# Altium PCB Top Board_PCB.PcbDoc (part 2 of 2)
Units mm, origin at the board's own origin, x right, y up, seen from the top; angles counter-clockwise.
Board outline 139 x 80 mm, 2 copper layers (Top Layer, Bottom Layer), stack 1.57 mm thick; 117 components, 64 nets, 448 pads, 192 vias.
Unrouted connection lines stored in the file: 304.
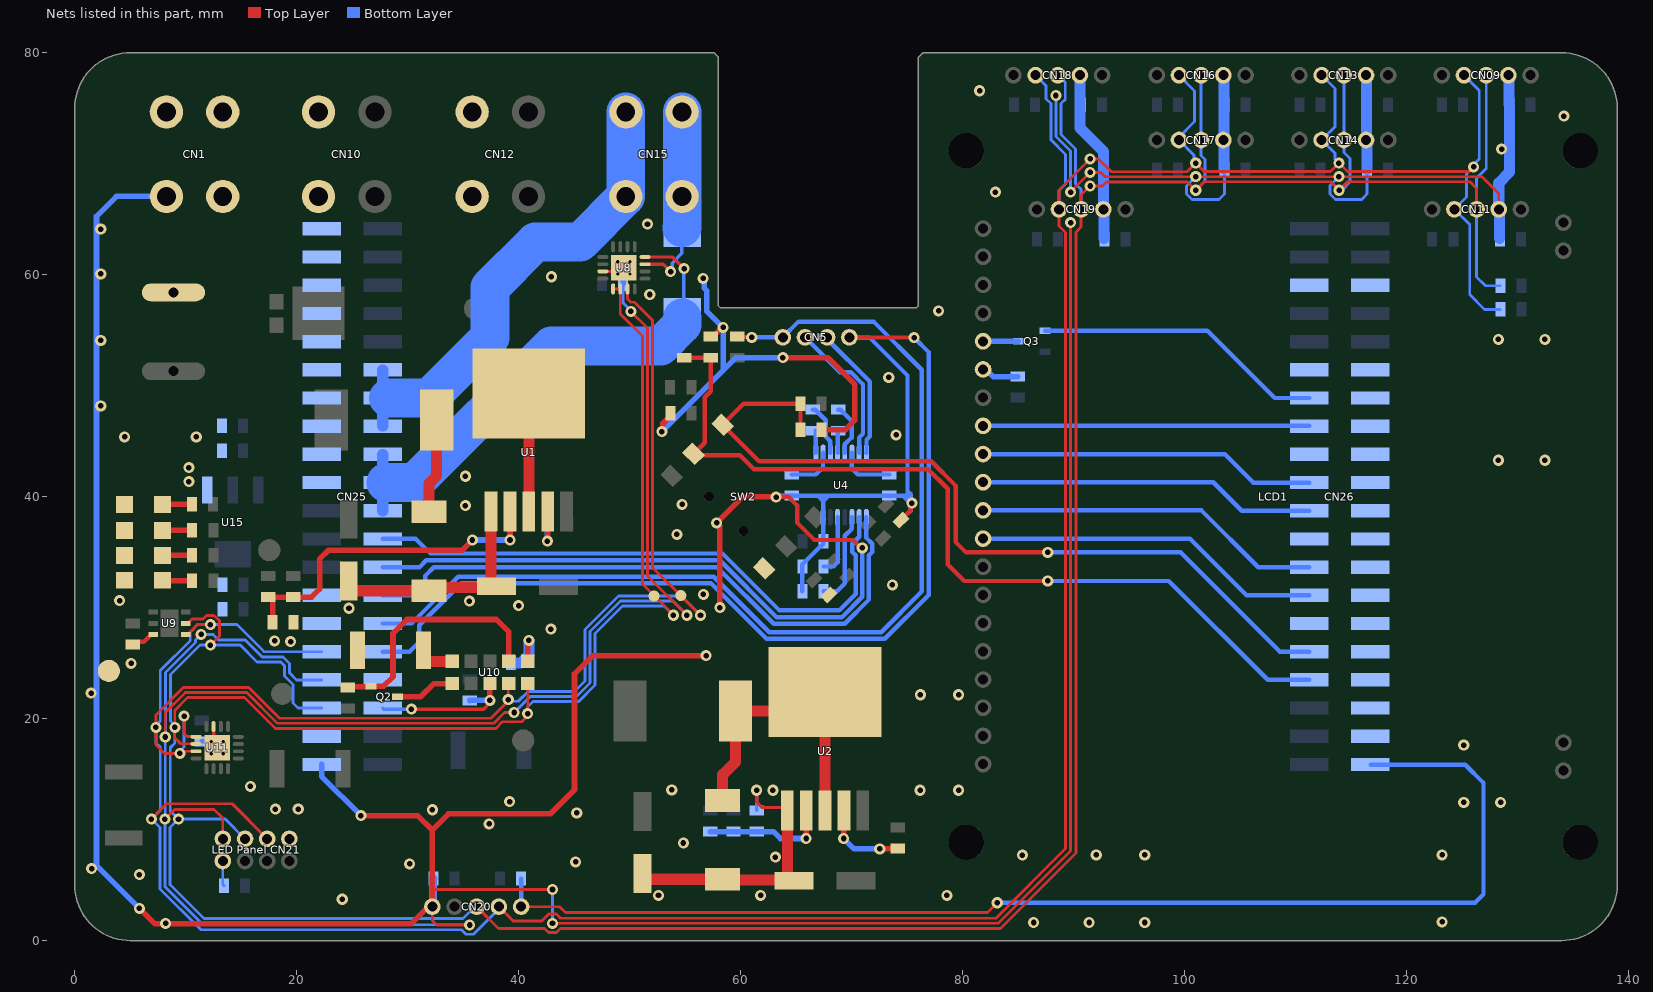
[diagram p2: the nets of this part, all layers, seen from the top]

## Via types
v1: diameter 1, hole 0.5, Top Layer to Bottom Layer, tented both sides, 178 vias
v2: diameter 0.5, hole 0.3, Top Layer to Bottom Layer, 8 vias
v3: diameter 1.4, hole 0.8, Top Layer to Bottom Layer, tented both sides, 4 vias
v4: diameter 1.4, hole 0.7, Top Layer to Bottom Layer, tented both sides, 2 vias

## Nets (pads, with @x,y where several pads share a name; then routed paths per layer and width w, separated by ;. In a path a pad name is that pad's centre, name@x,y a point inside that pad or via, vN(x,y) a via of type N, cw(c..) or ccw(c..) an arc to the next point about the centre after c; other vN are vias at no path point) (continued)
BTN-4_TOP: C40.2 CN26.24 R19.1 SW2.5 | length 79.6
  Top Layer w0.4: R19.1@54.94,52.517 C40.2@57.315,52.517 57.315,49.505 56.769,48.959 56.769,44.864 SW2.5@55.759,43.854 55.865,43.748 59.933,43.748 61.212,42.469 76.896,42.469 78.664,40.701 78.664,33.884 80.147,32.401 v1(87.681,32.401)
  Bottom Layer w0.4: v1(87.681,32.401) 98.589,32.401 107.499,23.49 CN26.24@111.25,23.49
BTN-5_TOP: C41.2 CN26.25 R20.1 SW2.6 | length 74.5
  Top Layer w0.4: C41.2@65.406,46.038 65.4,46.044 65.4,48.381 R20.1@65.395,48.387 60.292,48.387 SW2.6@58.375,46.47 61.665,43.18 77.191,43.18 79.375,40.996 79.375,35.916 80.315,34.976 v1(87.681,34.976)
  Bottom Layer w0.4: v1(87.681,34.976) 99.655,34.976 108.601,26.03 CN26.25@111.25,26.03
DISP_A0_TOP: CN26.33 LCD1.8 | length 29.4
  Bottom Layer w0.4: LCD1.8@81.85,46.38 CN26.33@111.25,46.38
DISP_CS_TOP: CN26.30 LCD1.10 | length 30.5
  Bottom Layer w0.4: LCD1.10@81.85,41.3 102.587,41.3 105.157,38.73 CN26.30@111.25,38.73
DISP_LEDA_TOP: CN26.34 Q3.1 | length 26.3
  Bottom Layer w0.4: Q3.1@87.433,54.95 102.073,54.95 108.133,48.89 CN26.34@111.25,48.89
DISP_RST_TOP: CN26.31 LCD1.9 | length 30.5
  Bottom Layer w0.4: LCD1.9@81.85,43.84 103.639,43.84 106.209,41.27 CN26.31@111.25,41.27
DISP_SCLK_TOP: CN26.27 LCD1.12 | length 31.5
  Bottom Layer w0.4: LCD1.12@81.85,36.22 100.483,36.22 105.593,31.11 CN26.27@111.25,31.11
DISP_SID_TOP: CN26.28 LCD1.11 | length 31.5
  Bottom Layer w0.4: LCD1.11@81.85,38.76 101.535,38.76 106.645,33.65 CN26.28@111.25,33.65
GND: "LED Panel CN21.1" "LED Panel CN21.7" "LED Panel CN21.8" C1.2 C3.2 C5.2 C8.2 C22.1 C23.1 C32.1 C35.1 C36.1 C37.1 C38.1 C39.1 C40.1 C41.1 C44.1 C45.1 C46.1 C47.1 C48.1 C49.1 C50.1 C51.1 C52.1 C53.1 C54.1 C55.1 C56.1 C57.1 C58.2 C74.1 C75.1 CN1.2 CN5.4 CN09.4 CN10.2 CN11.4 CN12.2 CN13.4 CN14.4 CN16.4 CN17.4 CN18.4 CN19.4 CN20.5 CN25.13 CN25.16 CN25.17 CN25.21 CN25.22 CN25.24 CN25.26 CN25.27 CN25.31 CN25.32 CN25.33 CN25.34 CN25.35 CN25.36 CN25.37 CN25.38 CN25.39 CN25.40 CN26.3 CN26.6 CN26.7 CN26.8 CN26.9 CN26.10 CN26.11 CN26.12 CN26.13 CN26.14 CN26.15 CN26.16 CN26.17 CN26.18 CN26.19 CN26.26 CN26.29 CN26.32 CN26.35 CN26.38 D2.1 D3.1 LCD1.6 LED1.2 LED2.2 LED3.2 LED4.2 R3.1 R6.1 R14.1 R15.2 R50.1 SW2.1 TP14.1 U1.1 U2.1 U4.15 U8.3 U8.17 U9.6 U10.1 U11.3 U11.17 U15.1 | length 889.7
  Top Layer w0.254: v1(8.128,10.947) 8.992,11.811 12.548,11.811 13.342,11.017 13.342,9.163 13.342,7.163 ; v1(8.153,18.339) 8.153,20.535 9.964,22.345 15.494,22.345 18.267,19.572 37.759,19.572 38.735,20.549 v1(39.599,20.549) ; v1(35.585,1.397) 32.639,1.397 32.22,1.816 CN20.5@32.22,3.048 32.22,4.597 v1(43.053,4.597) ; v1(43.053,1.549) 83.21,1.549 89.738,8.077 v1(89.738,64.694) ; v1(50.108,56.693) 51.616,55.185 51.616,32.864 v1(55.169,29.312) ; v1(89.738,67.437) 89.738,67.462 v1(91.491,69.215) 92.456,69.215 92.848,68.823 v1@101.016,68.823 ; v1(101.016,68.834) v1(113.919,68.834) 126.822,68.834 128.327,67.329 CN11.4@128.327,65.891
  Top Layer w0.3: U11.3@12.511,19.282 12.511,17.707 U11.17@12.836,17.382 ; U8.3@47.584,60.295 49.159,60.295 U8.17@49.484,60.62 ; v1(61.443,13.538) 61.443,12.446 61.9,11.989 63.958,11.989 U2.1@64.211,11.736
  Top Layer w0.4: C53.1@5.232,26.685 5.482,26.935 6.234,26.935 6.884,27.585 U9.6@7.084,27.585 ; v1@63.17,39.98 64.313,39.98 65.087,39.205 65.087,37.663 66.658,36.093 70.123,36.093 70.834,35.382 v1(70.968,35.382) ; CN5.4@69.802,54.356 69.815,54.343 75.629,54.343 v1(75.641,54.331) ; C38.1@74.459,37.885 74.459,37.924 75.323,38.789 75.323,39.306 v1(75.438,39.421)
  Top Layer w0.5: v1(5.817,2.896) 7.214,1.499 30.302,1.499 32.22,3.417 32.22,9.955 33.67,11.405 42.85,11.405 45.034,13.589 45.034,24.028 46.685,25.679 v1(56.896,25.679) ; v1(25.781,11.252) 30.903,11.252 32.22,9.935 ; U10.1@40.814,25.155 v1@40.814,26.67 ; v1(52.908,45.867) 53.004,45.963 53.004,46.616 53.685,47.298 C39.1@53.685,47.498 ; C40.1@57.315,54.417 57.515,54.417 58.343,55.245 v1(58.42,55.245) ; v1(58.141,29.997) 58.141,37.338 v1(57.836,37.643) 60.173,39.98 63.17,39.98 v1(63.195,39.954) ; v1(63.805,52.527) 67.869,52.527 70.307,50.089 70.307,46.888 69.457,46.038 C41.1@67.306,46.038
  Top Layer w1: C3.2@24.982,31.524 D2.1@31.921,31.524 ; D2.1@32.199,31.802 37.79,31.802 38.069,32.08 37.819,32.08 37.519,32.38 U1.1@37.519,38.66 ; C8.2@51.156,6.039 51.156,5.818 51.456,5.518 D3.1@58.369,5.518 58.436,5.451 C5.2@64.444,5.451 ; U2.1@64.211,11.736 64.211,5.685 C5.2@64.444,5.451 ; C5.2@64.444,5.451 64.744,5.451 C5.2@64.811,5.385 64.511,5.385 C5.2@64.444,5.451
  Bottom Layer w0.254: 13.342,7.163 13.342,5.028 C57.1@13.442,4.928 ; CN25.24@22.25,23.49 19.995,23.49 19.355,24.13 19.355,24.95 18.755,25.549 16.894,25.549 15.367,27.076 12.979,27.076 12.471,27.584 v1(11.379,27.584) 10.871,27.076 10.871,26.855 8.179,24.162 8.179,18.364 v1(8.153,18.339) 8.153,10.973 v1(8.128,10.947) 8.128,4.844 11.55,1.422 35.56,1.422 v1(35.585,1.397) ; v1(39.599,20.549) 41.05,22 45.222,22 46.434,23.212 46.434,27.849 49.178,30.593 53.888,30.593 v1(55.169,29.312) ; v1(43.053,1.549) v1(43.053,4.597) ; C48.1@49.413,59.182 49.413,57.47 50.108,56.775 v1(50.108,56.693) ; v1(88.417,76.149) 88.417,72.453 89.738,71.133 v1(89.738,67.437) ; C52.1@92.735,63.256 92.741,63.262 C52.1@92.801,63.322 ; v1(101.016,68.834) 100.189,68.007 100.189,67.272 100.673,66.788 103.122,66.788 103.605,67.271 C50.1@103.605,69.469 ; v1(113.919,68.834) 113.117,68.032 113.117,67.272 113.602,66.788 115.98,66.788 116.464,67.272 C47.1@116.464,69.469
  Bottom Layer w0.3: R6.1@61.443,11.72 v1(61.443,13.538)
  Bottom Layer w0.4: C56.1@11.43,17.948 11.438,17.94 13.378,17.94 v2(13.386,17.932) ; CN25.16@27.75,26.03 30.17,26.03 31.039,26.899 31.039,28.412 34.818,32.191 57.333,32.191 62.337,27.188 73.003,27.188 76.938,31.122 76.938,53.034 v1(75.641,54.331) ; CN25.13@27.75,33.65 31.064,33.65 31.679,34.265 58.115,34.265 63.236,29.143 69.133,29.143 70.968,30.978 v1(70.968,35.382) ; C35.1@64.618,40.096 66.949,40.096 ; R14.1@65.573,31.471 R15.2@65.573,33.706 65.573,33.906 67.183,35.516 67.223,35.516 C32.1@67.473,35.766 ; C32.1@67.473,35.966 C32.1@67.473,35.766 ; CN5.4@69.802,54.356 69.853,54.305 71.653,54.305 75.042,50.917 75.042,40.488 ; 75.209,38.608 75.323,38.722 75.323,39.306 v1(75.438,39.421) ; LCD1.6@81.85,51.46 82.121,51.46 LCD1.6@82.148,51.46 ; 66.949,40.096 67.945,40.096 ; 66.949,40.096 67.447,39.599 ; 67.447,39.599 67.945,40.096 ; 67.447,39.599 67.447,38.156 U4.15@67.438,38.146 67.447,38.137 67.447,35.792 C32.1@67.473,35.766 ; 67.945,40.096 C36.1@73.381,40.096 73.411,40.066 74.631,40.066 ; 74.631,40.066 75.042,40.066 ; 74.631,40.066 75.276,39.421 v1@75.392,39.421 ; 75.042,40.066 75.042,40.488 ; 75.042,40.066 75.042,39.98 v1@75.323,39.698 ; 75.042,40.488 75.323,40.206 v1@75.323,39.698 ; v1@75.323,39.698 75.323,39.536 v1@75.392,39.467 ; v1@75.323,39.698 v1@75.392,39.629 ; v1@75.392,39.421 v1@75.392,39.467 ; v1@75.392,39.421 v1(75.438,39.421) ; v1@75.392,39.467 v1@75.392,39.629 ; v1@75.392,39.467 v1(75.438,39.421) ; v1@75.392,39.629 75.438,39.583 v1(75.438,39.421)
  Bottom Layer w0.5: v1(5.817,2.896) 1.956,6.756 1.956,65.253 3.759,67.056 CN1.2@8.255,67.056 ; CN25.21@22.25,15.87 22.25,14.783 v1(25.781,11.252) ; C48.1@49.413,59.182 49.413,60.07 ; v1(52.908,45.867) 58.42,51.379 ; v1(56.617,59.676) 56.712,59.58 56.712,58.807 56.947,58.572 56.947,56.718 v1(58.42,55.245) 58.42,51.379 ; v1(63.195,39.954) 63.266,40.025 64.546,40.025 C35.1@64.618,40.096 ; v1(63.805,52.527) 59.568,52.527 58.42,51.379 ; LCD1.6@82.121,51.46 82.761,50.82 C58.2@84.963,50.82 ; C51.1@90.533,75.261 C51.1@90.583,75.311 ; CN18.4@90.583,77.978 90.633,77.928 90.633,75.361 C51.1@90.683,75.311 ; CN19.4@92.691,65.891 CN19.4@92.741,65.841 ; C52.1@92.741,63.262 92.741,63.245 C52.1@92.791,63.195 ; CN16.4@103.505,77.978 CN16.4@103.555,77.928 ; C50.1@103.555,69.519 C50.1@103.605,69.469 ; CN17.4@103.555,72.089 CN17.4@103.505,72.139 CN17.4@103.555,72.189 ; C49.1@103.555,75.261 C49.1@103.605,75.311 C49.1@103.555,75.361 ; CN13.4@116.364,77.978 CN13.4@116.414,77.928 ; CN14.4@116.414,72.189 CN14.4@116.364,72.139 CN14.4@116.464,72.039 ; C46.1@116.414,75.261 C46.1@116.464,75.311 C46.1@116.414,75.361 ; CN11.4@128.327,65.891 CN11.4@128.377,65.841 ; C45.1@128.377,63.245 C45.1@128.427,63.195 ; CN09.4@129.191,77.978 CN09.4@129.241,77.928 ; C44.1@129.241,75.361 C44.1@129.291,75.311 ; v2(48.934,61.17) 49.632,61.17 ; v2(48.934,61.17) v2(48.934,60.07) 49.413,60.07 ; v2(48.934,61.17) 49.413,60.691 49.413,60.07 ; 49.413,60.07 v2(50.034,60.07) v2(50.034,61.17) 49.632,61.17 ; 49.413,60.07 49.632,60.288 49.632,61.17
  Bottom Layer w0.7: CN20.5@32.22,3.048 32.27,3.098 32.27,5.538 C55.1@32.32,5.588
  Bottom Layer w1: C54.1@39.624,25.019 40.228,25.019 40.919,25.71 v1(40.919,27.051) ; CN18.4@90.583,77.978 90.583,75.311 90.583,73.222 92.691,71.113 CN19.4@92.691,65.891 ; C52.1@92.741,63.262 CN19.4@92.741,65.841 ; C50.1@103.555,69.519 CN17.4@103.555,72.089 ; CN17.4@103.555,72.189 C49.1@103.555,75.261 ; C49.1@103.555,75.361 CN16.4@103.555,77.928 ; CN14.4@116.414,72.189 C46.1@116.414,75.261 ; C46.1@116.414,75.361 CN13.4@116.414,77.928 ; C47.1@116.464,69.469 CN14.4@116.464,72.039 ; CN11.4@128.327,65.891 128.327,68.282 129.291,69.245 C44.1@129.291,75.311 ; C45.1@128.377,63.245 CN11.4@128.377,65.841 ; C44.1@129.241,75.361 CN09.4@129.241,77.928
  other v1: 8.179,1.549 86.411,1.626 91.415,1.626 96.418,1.626 123.215,1.676 24.105,3.721 52.603,4.064 61.798,4.064 78.588,4.064 5.817,5.944 1.524,6.477 30.175,6.909 45.136,7.087 63.144,7.518 85.395,7.696 92.05,7.722 96.418,7.722 123.215,7.722 54.839,8.788 37.338,10.516 45.237,11.506 32.22,11.786 18.085,11.836 20.142,11.836 125.171,12.446 128.499,12.446 39.192,12.522 62.916,13.538 76.175,13.538 79.654,13.538 53.797,13.571 15.824,13.894 125.171,17.602 76.2,22.149 79.654,22.149 1.473,22.301 5.08,24.968 19.456,26.935 18.009,27 42.901,28.067 24.714,29.947 40.005,30.175 35.56,30.593 4.039,30.632 56.642,31.191 73.685,32.055 54.254,36.601 35.204,39.192 54.737,39.306 10.287,41.351 35.204,41.834 10.287,42.621 128.292,43.282 132.486,43.282 4.496,45.39 10.947,45.39 74.016,45.568 2.337,48.184 73.355,50.749 2.337,54.077 128.292,54.178 132.486,54.178 77.851,56.744 51.816,58.217 42.951,59.817 2.337,60.07 2.337,64.11 51.613,64.567 82.956,67.437 128.575,71.323 134.188,74.295 81.534,76.581
  other v2: 12.286,16.832 13.386,16.832 12.286,17.932
I2C1_SCL_TOP: "LED Panel CN21.5" CN09.3 CN11.3 CN13.3 CN14.3 CN16.3 CN17.3 CN18.3 CN19.3 CN20.3 CN25.23 R89.1 TP16.1 U8.5 U8.6 U9.2 U10.10 U11.6 | length 387.9
  Top Layer w0.254: U9.2@9.984,28.585 10.184,28.585 10.568,28.969 11.544,28.969 11.875,29.3 12.56,29.3 13.044,28.816 13.044,27.446 v1(12.217,26.619) ; U11.6@10.936,17.707 10.917,17.726 9.554,17.726 9.017,18.263 v1(9.017,19.202) 9.017,20.752 10.156,21.891 15.297,21.891 17.466,19.722 17.471,19.722 18.074,19.118 37.947,19.118 38.55,19.722 40.296,19.722 40.814,20.24 v1(40.814,20.447) U10.10@40.814,23.155 ; CN20.3@36.22,3.048 38.176,1.092 42.341,1.092 42.71,0.722 43.396,0.722 43.765,1.092 83.414,1.092 90.221,7.899 90.221,63.83 90.691,64.301 CN19.3@90.691,65.891 90.691,67.196 v1(91.491,67.996) 92.608,67.996 92.981,68.369 100.262,68.369 v1(101.016,67.615) 101.781,68.38 113.179,68.38 v1(113.944,67.615) 114.71,68.38 125.727,68.38 126.327,67.779 CN11.3@126.327,65.891 ; U8.5@48.509,58.72 U8.6@49.159,58.72 49.159,56.472 51.162,54.469 51.162,32.125 v1@53.95,29.337
  Bottom Layer w0.254: 15.342,9.163 13.557,10.947 v1(9.347,10.947) ; CN25.23@22.25,20.95 20.121,20.95 19.66,21.412 19.66,23.063 18.898,23.825 18.898,24.765 18.567,25.095 16.434,25.095 14.91,26.619 v1(12.217,26.619) 11.278,26.619 8.633,23.974 8.633,19.788 9.017,19.404 v1(9.017,19.202) 9.017,17.783 8.607,17.374 8.607,11.687 v1(9.347,10.947) ; CN20.3@36.22,3.048 36.067,3.048 34.99,1.971 11.643,1.971 8.582,5.032 8.582,10.182 v1(9.347,10.947) ; v1@40.767,20.447 v1(40.814,20.447) 40.814,21.053 41.307,21.546 45.41,21.546 46.888,23.024 46.888,27.661 49.366,30.139 53.123,30.139 v1(53.95,29.312) ; CN18.3@88.583,77.978 89.256,77.305 89.256,75.794 88.875,75.413 88.875,72.638 90.195,71.318 90.195,68.174 90.664,67.705 90.664,65.918 CN19.3@90.691,65.891 ; v1(101.016,67.615) 101.843,68.442 101.843,70.396 101.505,70.734 CN17.3@101.505,72.139 ; CN17.3@101.501,72.135 CN17.3@101.505,72.139 ; CN16.3@101.505,77.978 CN17.3@101.505,72.139 ; v1(113.944,67.615) 114.173,67.615 114.91,68.351 114.91,70.46 114.364,71.005 CN14.3@114.364,72.139 CN13.3@114.364,77.978 ; CN09.3@127.191,77.978 127.191,69.558 126.327,68.695 CN11.3@126.327,65.891 126.327,59.804 127.127,59.004 R89.1@128.463,59.004
I2C1_SDA_TOP: "LED Panel CN21.3" CN09.2 CN11.2 CN13.2 CN14.2 CN16.2 CN17.2 CN18.2 CN19.2 CN20.2 CN25.25 R88.1 TP15.1 U8.7 U9.1 U10.9 U11.5 U11.7 | length 405.3
  Top Layer w0.254: v1(6.909,10.947) 8.28,12.319 14.185,12.319 17.342,9.163 ; v1@9.855,20.193 9.855,18.644 10.123,18.376 10.917,18.376 U11.5@10.936,18.357 ; U9.1@9.984,27.585 10.184,27.585 11.073,28.473 v1(12.217,28.473) ; U11.7@10.936,17.057 9.868,17.057 9.676,16.866 v1(9.474,16.866) 8.077,16.866 7.315,17.628 v1(7.315,19.202) 7.315,20.339 9.776,22.799 15.682,22.799 18.455,20.026 37.502,20.026 39.065,21.59 39.065,23.106 U10.9@39.114,23.155 ; CN20.2@38.22,3.048 39.516,1.753 42.087,1.753 42.71,2.376 43.396,2.376 43.765,2.007 83.007,2.007 89.281,8.28 89.281,63.805 88.691,64.395 CN19.2@88.691,65.891 88.691,67.635 v1(91.491,70.434) 92.253,70.434 93.41,69.277 100.239,69.277 v1(101.016,70.053) 101.781,69.288 113.154,69.288 v1(113.919,70.053) 114.684,69.288 125.625,69.288 v1(126.06,69.723) ; U8.7@49.809,58.72 49.809,57.831 50.12,57.52 50.45,57.52 52.07,55.9 52.07,33.63 TP15.1@54.61,31.09 v1(56.388,29.312)
  Bottom Layer w0.254: v1(9.474,16.866) 9.474,17.067 9.855,17.448 v1(9.855,20.218) ; v1(12.217,28.473) 11.074,28.473 10.414,27.813 10.414,27.051 7.699,24.336 7.699,19.788 7.315,19.404 v1(7.315,19.202) 7.315,17.809 7.699,17.424 7.699,11.738 v1(6.909,10.947) 7.674,10.182 7.674,4.656 11.365,0.965 34.848,0.965 35.243,0.57 35.928,0.57 38.22,2.862 CN20.2@38.22,3.048 ; v1@12.243,28.473 14.612,28.473 17.055,26.03 CN25.25@22.25,26.03 ; v1@39.116,21.558 39.966,21.558 40.862,22.454 45.034,22.454 45.98,23.4 45.98,28.037 48.99,31.047 54.653,31.047 v1(56.388,29.312) ; CN18.2@86.583,77.978 87.528,77.033 87.528,75.844 87.96,75.413 87.96,72.161 89.281,70.841 89.281,68.174 88.691,67.584 CN19.2@88.691,65.891 ; CN16.2@99.505,77.978 100.914,76.569 100.914,73.794 99.505,72.385 CN17.2@99.505,72.139 100.873,70.771 100.873,70.196 v1(101.016,70.053) ; CN13.2@112.364,77.978 113.563,76.779 113.563,73.339 CN14.2@112.364,72.139 113.563,70.94 113.563,70.409 v1(113.919,70.053) ; CN09.2@125.191,77.978 126.568,76.601 126.568,70.433 126.06,69.925 v1(126.06,69.723) 125.425,69.088 125.425,66.989 CN11.2@124.327,65.891 125.705,64.514 125.705,58.217 127.051,56.871 R88.1@128.463,56.871
  other v1: 39.065,21.717
INT_VCNL4200_TOP: CN25.18 R48.2 U10.8 | length 13.5
  Top Layer w0.3: v1(30.328,20.853) 36.856,20.853 37.414,21.412 v1(37.414,21.641)
  Top Layer w0.5: v1(37.414,21.641) U10.8@37.414,23.155
  Bottom Layer w0.3: CN25.18@27.75,20.95 27.847,20.853 v1(30.328,20.853)
  Bottom Layer w0.5: R48.2@35.585,21.631 35.591,21.636 37.409,21.636 v1(37.414,21.641)
INT_VEML6030_TOP: CN20.1 CN26.20 R51.2 | length 111.1
  Top Layer w0.254: CN20.1@40.22,3.048 43.688,3.048 44.221,2.515 82.245,2.515 v1(83.134,3.404)
  Bottom Layer w0.254: CN26.20@116.75,15.87 CN26.20@116.77,15.85
  Bottom Layer w0.4: CN20.1@40.22,3.048 R51.2@40.22,5.588 ; v1(83.134,3.404) 126.187,3.404 126.949,4.166 126.949,14.199 125.298,15.85 CN26.20@116.77,15.85
NetC2_1: C2.1 U1.4 | length 4.2
  Top Layer w0.5: v1@42.608,36.004 42.608,38.649 U1.4@42.619,38.66
  Bottom Layer w0.5: v1(42.596,35.992) 42.591,35.997 C2.1@42.591,37.536 ; C2.1@42.591,37.536 C2.1@42.586,37.541 C2.1@42.591,37.536
NetC4_1: C4.1 R2.1 R3.2 U1.2 | length 30.5
  Top Layer w0.5: C4.1@17.45,30.952 17.821,30.582 R3.2@17.821,28.664 ; C4.1@17.653,30.952 R2.1@19.685,30.952 21.351,30.952 22.073,31.674 22.073,34.366 22.885,35.179 34.925,35.179 v1(35.839,36.093) ; v1@39.192,36.093 v1@39.192,35.994 ; v1@39.206,35.98 v1@39.192,35.994 ; U1.2@39.206,38.647 U1.2@39.219,38.66 v1(39.219,36.093) 39.219,36.021 v1@39.192,35.994
  Bottom Layer w0.5: v1(35.839,36.093) v1(39.219,36.093)
NetC6_1: C6.1 U2.4 | length 7.8
  Top Layer w0.5: v1(69.291,9.195) 69.301,9.205 69.301,11.727 U2.4@69.311,11.736 ; v1(72.542,8.255) 72.558,8.27 74.153,8.27 C6.1@74.168,8.285
  Bottom Layer w0.5: v1(69.291,9.195) 70.231,8.255 v1(72.542,8.255)
NetC7_1: C7.1 R4.1 R6.2 U2.2 | length 11.4
  Top Layer w0.5: U2.2@65.911,11.736 65.912,11.735 v1(65.913,9.195) v1(65.913,9.195)
  Bottom Layer w0.5: R4.1@57.277,9.82 C7.1@59.36,9.82 R6.2@61.443,9.82 62.967,9.82 63.591,9.195 v1(65.913,9.195)
NetC33_1: C33.1 U4.3 | length 4.7
  Bottom Layer w0.4: C33.1@66.523,47.838 66.723,47.838 67.666,46.895 67.666,45.416 68.078,45.003 68.078,43.956 U4.3@68.088,43.946
NetC33_2: C33.2 U4.1 | length 2
  Bottom Layer w0.4: U4.1@66.788,43.946 C33.2@66.788,45.938
NetC34_1: C34.1 U4.4 | length 2
  Bottom Layer w0.4: U4.4@68.738,43.946 68.738,45.867 C34.1@68.809,45.938
NetC34_2: C34.2 U4.5 | length 4.8
  Bottom Layer w0.4: C34.2@68.809,47.838 69.009,47.838 70.002,46.845 70.002,45.323 69.397,44.718 69.397,43.956 U4.5@69.388,43.946
NetC35_2: C35.2 U4.2 | length 4.4
  Bottom Layer w0.4: C35.2@64.618,41.996 66.765,41.996 67.428,42.66 67.428,43.937 U4.2@67.438,43.946
NetC36_2: C36.2 U4.6 | length 5
  Bottom Layer w0.4: U4.6@70.038,43.946 70.038,42.52 70.561,41.996 C36.2@73.381,41.996
NetCN1_1: CN1.1 K1.1
NetCN15_1: CN15.1 R42.1 U8.11 | length 17.4
  Top Layer w0.3: U8.11@51.384,60.945 53.023,60.945 53.694,60.274 v1(53.696,60.274)
  Bottom Layer w0.3: v1(53.696,60.274) 53.83,60.408 53.83,61.043 54.712,61.925 54.712,64.237
  Bottom Layer w3.5: 54.712,64.237 54.737,64.262 CN15.1@54.737,67.056 CN15.1@54.737,74.676
NetD2_2: D2.2 L1.1 U1.3 | length 19.2
  Top Layer w1: D2.2@31.921,38.624 31.921,41.166 32.614,41.859 L1.1@32.614,46.888 ; U1.3@40.919,38.66 U1.3@40.919,49.31
NetD3_2: D3.2 L2.1 U2.3 | length 28.1
  Top Layer w1: D3.2@58.369,12.618 58.369,14.935 59.534,16.1 59.534,20.552 59.459,20.626 L2.1@59.534,20.701 65.925,20.701 U2.3@67.611,22.386 U2.3@67.611,11.736
NetLCD1_5: LCD1.5 Q3.3 | length 3.2
  Bottom Layer w0.5: LCD1.5@81.85,54 Q3.3@85.033,54
NetLED1_1: LED1.1 R1.1 | length 2.7
  Top Layer w0.5: LED1.1@7.864,34.722 R1.1@10.582,34.722
NetLED2_1: LED2.1 R5.2 | length 2.7
  Top Layer w0.5: LED2.1@7.877,32.436 R5.2@10.582,32.436
NetLED3_1: LED3.1 R90.1 | length 2.8
  Top Layer w0.5: LED3.1@7.769,39.299 R90.1@10.556,39.299
NetLED4_1: LED4.1 R91.2 | length 2.7
  Top Layer w0.5: LED4.1@7.896,36.963 7.915,36.982 R91.2@10.582,36.982
NetQ2_1: Q2.1 R49.1 U10.2 | length 22.5
  Top Layer w0.5: R49.1@24.587,22.794 24.664,22.871 26.639,22.871 Q2.1@26.689,22.921 27.836,22.921 28.677,23.762 28.677,27.686 29.921,28.931 37.998,28.931 39.114,27.815 U10.2@39.114,25.155
NetQ2_3: Q2.3 U10.6 | length 5.4
  Top Layer w0.5: Q2.3@29.089,21.971 31.181,21.971 32.365,23.155 U10.6@34.014,23.155
NetR14_2: R14.2 U4.11 | length 8.4
  Bottom Layer w0.4: R14.2@67.473,31.471 68.682,31.471 69.393,32.182 69.393,36.474 70.038,37.119 U4.11@70.038,38.146
NetR15_1: R15.1 U4.13 | length 5.5
  Bottom Layer w0.4: R15.1@67.473,33.706 68.377,33.706 68.738,34.067 U4.13@68.738,38.146
NetR50_2: R50.2 U10.5 | length 3.5
  Top Layer w1: R50.2@31.445,26.162 31.445,25.33 31.62,25.155 32.791,25.155 U10.5@34.014,25.155
RESET_MB_TOP: CN5.1 CN25.15 R13.2 | length 93
  Top Layer w0.4: R13.2@59.69,54.417 59.72,54.387 60.98,54.387 v1(61.011,54.356)
  Bottom Layer w0.4: CN25.15@27.75,28.57 30.348,28.57 34.569,32.791 57.582,32.791 62.586,27.788 72.669,27.788 76.338,31.456 76.338,51.424 71.984,55.778 65.224,55.778 CN5.1@63.802,54.356 v1(61.011,54.356)
RS232_RX: CN5.3 U4.8 | length 12.1
  Bottom Layer w0.4: CN5.3@67.802,54.356 67.802,54.194 71.653,50.343 71.653,45.441 71.347,45.134 71.347,43.956 U4.8@71.338,43.946
RS232_TX: CN5.2 U4.7 | length 13.3
  Bottom Layer w0.4: CN5.2@65.802,54.356 68.957,51.201 69.946,51.201 71.033,50.114 71.033,45.669 70.688,45.323 U4.7@70.688,43.946
TEC_A_TOP: CN25.9 CN25.10 CN25.11 R42.2 U8.12 | length 45.4
  Top Layer w0.3: U8.12@51.384,61.595 53.873,61.595 v1(54.915,60.554)
  Bottom Layer w0.3: R42.2@54.737,57.223 54.889,57.375 54.889,60.528 v1(54.915,60.554)
  Bottom Layer w1: CN25.11@27.75,38.73 CN25.10@27.75,41.27 ; CN25.10@27.75,41.541 CN25.9@27.75,43.81
  Bottom Layer w3.5: CN25.10@28.021,41.27 30.653,41.27 42.951,53.569 52.781,53.569 54.737,55.524 54.737,56.109
TEC_B_TOP: CN15.2 CN25.6 CN25.7 CN25.8 | length 43.7
  Bottom Layer w1: CN25.8@27.75,46.35 CN25.7@27.75,48.375 ; CN25.7@27.75,48.89 CN25.6@27.75,51.43
  Bottom Layer w3.5: CN25.7@28.265,48.89 31.948,48.89 37.414,54.356 37.414,58.852 41.504,62.941 45.542,62.941 CN15.2@49.657,67.056 CN15.2@49.657,74.676
USART1_RX_TOP: CN25.14 U4.9 | length 56.3
  Bottom Layer w0.4: CN25.14@27.75,31.11 30.881,31.11 31.598,31.826 31.598,32.89 32.357,33.65 57.881,33.65 62.988,28.543 69.382,28.543 71.568,30.729 71.568,34.709 71.868,35.009 71.868,35.755 71.34,36.282 71.338,36.282 U4.9@71.338,38.146
USART1_TX_TOP: CN25.12 U4.10 | length 53.2
  Bottom Layer w0.4: CN25.12@27.75,36.19 30.739,36.19 32.055,34.874 58.369,34.874 63.5,29.743 68.885,29.743 70.368,31.226 70.368,34.709 70.068,35.009 70.068,35.755 70.688,36.375 U4.10@70.688,38.146
pads on no net: LCD1.1 LCD1.2 LCD1.3 LCD1.4 LCD1.13 LCD1.14 LCD1.15 LCD1.16 LCD1.17 LCD1.18 LCD1.19 LCD1.20 LCD1.21 LCD1.22 LCD1.23 LCD1.24 SW2. U4.12 U4.14 U8.1 U8.2 U8.8 U8.9 U8.10 U8.13 U8.14 U8.15 U8.16 U9.3 U9.4 U9.7 U10.4 U10.7 U11.8 U11.9 U11.10 U11.13 U11.16

## Polygon pours and split planes (outlines as drawn)
GND on Bottom Layer "BOT_POLY" (solid, remove dead copper, pour order 12): 0,5 ccw(c5,5) 5,0 134,0 ccw(c134,5) 139,5 139,75 ccw(c134,75) 134,80 76.444,80 76,79.556 76,57.179 75.821,57 58.193,57 58,57.193 58,79.592 57.592,80 5,80 ccw(c5,75) 0,75
GND on Top Layer "TOP_POLY" (solid, remove dead copper, pour order 10): 0,5 ccw(c5,5) 5,0 134,0 ccw(c134,5) 139,5 139,75 ccw(c134,75) 134,80 76.444,80 76,79.556 76,57.179 75.821,57 58.193,57 58,57.193 58,79.592 57.592,80 5,80 ccw(c5,75) 0,75

## Keep-outs
Keep-Out Layer:
  the board outline again, w0.2

## Other copper
Top Layer:
  rectangle net NetR50_2: 32.029,24.562 33.553,25.756
  rectangle net NetD2_2: 32.715,45.263 36.271,49.632
  rectangle net NetD3_2: 58.776,18.339 64.465,23.444
  pour cut-out: 102.966,71.618 ccw(c103.516,72.168) 103.516,71.39 103.539,71.39 ccw(c103.539,72.056) 104.01,71.585 104.042,71.617 104.267,71.247 102.743,71.247
  pour cut-out: 92.152,66.412 92.162,66.422 cw(c92.688,65.896) 92.688,66.64 cw(c92.688,65.891) 93.218,66.421 93.253,66.385 93.386,66.517 93.386,66.52 93.399,66.534 93.399,66.669 93.397,66.672 93.394,66.669 92.008,66.669
  pour cut-out: 102.644,71.571
  pour cut-out: 92.146,66.396
  region net +7V0: 20.269,44.577 20.142,44.45 15.621,44.45 15.494,44.323 15.494,35.179 15.494,35.128 15.324,34.958 18.442,34.958 20.752,37.267 20.752,44.577
  region net +7V0: 20.345,45.237
  region net +7V0: 15.621,34.722 16.51,33.833 18.796,33.833 18.999,34.036 18.872,34.163 18.872,35.966 16.815,35.966 16.637,35.789
  region: 15.596,34.976
  region net +7V0: 15.392,34.95
  region net +12V0: 46.965,40.386 46.965,37.617 46.711,37.363 46.711,36.22 47.625,35.306 48.108,35.789 48.108,40
  region net NetCN1_1: 18.923,59.436 15.494,59.436 14.986,58.928 14.986,57.023 14.732,56.769 4.826,56.769 4.42,57.175 4.42,59.995 4.42,64.11 4.674,64.364 10.033,64.364 10.846,65.176 10.846,77.572 11.252,77.978 18.796,77.978 19.202,77.572 19.202,59.715
  region: 8.89,62.478
  region: 6.858,64.364
  region net NetQ2_3: 34.62,23.762 32.322,23.762 30.836,22.276 28.575,22.276 28.575,21.666 34.442,21.666 34.62,21.844
  region net +7V0: 18.771,33.401 18.669,33.299 18.009,33.299 18.009,32.41 20.701,32.41 20.93,32.639 20.93,33.401
  region net +7V0: 25.495,36.246 25.495,49.308 25.146,49.657 20.65,49.657 20.269,49.276 20.269,40.767 18.771,39.268 18.771,33.401 19.126,33.045 20.574,33.045 20.93,33.401 20.93,35.763 21.412,36.246
  region net +3V3_OUT: 52.019,23.444 52.299,23.165 52.299,10.084 52.095,9.881 47.269,9.881 47.092,10.058 47.092,23.139 47.396,23.444
  region net +12V0: 19.609,54.102 31.318,54.102 32.614,55.397 32.614,76.987 31.826,77.775 26.137,77.775 25.349,76.987 25.349,59.893 24.435,58.979 19.609,58.979
  region net +12V0_IN: 18.669,58.928 18.796,58.801 18.796,47.574 18.364,47.142 4.648,47.142 4.42,47.371 4.42,55.524 4.42,55.829 4.849,56.258 14.983,56.258 15.494,56.769 15.494,58.725 15.697,58.928
Bottom Layer:
  rectangle net +3V3: 25.984,15.24 35.23,19.025
  rectangle net TEC_A_TOP: 25.984,38.125 29.515,44.425
  rectangle net TEC_B_TOP: 25.984,45.745 29.515,52.045
  region net GND: 13.081,42.418 12.573,42.418 12.446,42.291 12.446,39.37 12.319,39.243 12.065,39.243 11.938,39.116 11.938,33.198 12.065,33.071 13.665,33.071 13.767,32.969 13.767,29.083 13.64,28.956 12.827,28.956 12.7,29.083 12.7,32.512 12.573,32.639 11.1,32.639 10.871,32.868 10.871,46.304 10.999,46.431 13.513,46.431 13.716,46.228 13.716,42.537 13.597,42.418
  region net +5V0: 14.376,33.503 14.478,33.401 14.478,29.058 14.58,28.956 16.027,28.956 16.154,29.083 16.154,32.944 16.256,33.045 19.152,33.045 19.253,33.147 19.253,39.345 18.161,39.345 18.034,39.218 18.034,38.608 17.907,38.481 14.986,38.481 14.859,38.608 14.859,41.783 14.732,41.91 13.589,41.91 13.462,41.783 13.462,38.604 13.339,38.481 12.446,38.481 12.319,38.354 12.319,33.63 12.446,33.503
  region net +7V0: 14.808,47.015 14.732,46.939 14.732,42.545 14.859,42.418 15.621,42.418 15.748,42.291 15.748,39.243 15.875,39.116 17.145,39.116 17.272,39.243 17.272,46.863 17.12,47.015
  region: 15.199,46.431
  region net +5V0: 24.003,39.345 19.152,39.345 18.771,38.964 18.771,33.426 19.152,33.045 24.003,33.045
  region net +12V0: 25.984,64.745 30.607,64.745 30.886,65.024 32.258,65.024 32.588,64.694 32.588,55.905 32.309,55.626 26.137,55.626 25.984,55.778
  region: 25.984,64.745

## Silkscreen, mask and mechanical layers (free items; w line width, h text height)
Top Overlay:
  drawing of 49 lines, arcs and shapes, not listed
  text "TEMP Module" at 88.011,68.199 h1
  text "GND" at 7.315,63.957 h1
  text "+12V_IN" at 11.227,63.957 h1
  text "GND" at 20.904,63.957 h1
  text "+12V_FAN" at 25.095,63.957 h1
  text "GND" at 34.925,63.957 h1
  text "+12V_FAN" at 39.116,63.957 h1
  text "TEC Module" at 48.971,63.246 h1
  text "PWR IN" at 8.763,62.662 h1
  text "SYSTEM FAN" at 20.32,62.027 h1
  text "Heat Sink FAN" at 34.798,62.027 h1
  text "SCL" at 91.087,60.349 h1 r90
  text "SDA" at 89.087,60.217 h1 r90
  text "GND" at 93.087,60.124 h1 r90
  text "+3V3" at 95.083,59.992 h1 r90
  text "ALERT" at 87.087,59.284 h1 r90
  text "1" at 96.709,58.057 h1 r90
  text "2" at 97.66,57.962 h1 r90
  text "3" at 98.599,57.966 h1 r90
  text "4" at 99.561,57.953 h1 r90
  text "5" at 100.501,57.963 h1 r90
  text "SCL" at 98.599,55.147 h1 r90
  text "SDA" at 97.648,55.015 h1 r90
  text "GND" at 99.55,54.922 h1 r90
  text "+3V3" at 100.501,54.79 h1 r90
  text "ALERT" at 96.709,53.949 h1 r90
  text "05_LEDA" at 85,53.526 h1.5
  text "RS232" at 72.517,51.765 h1
  text "06_GND" at 85,50.986 h1.5
  text "CN09" at 95.25,50.571 h1 r90
  text "CN11" at 96.201,50.571 h1 r90
  text "CN13" at 97.151,50.571 h1 r90
  text "CN14" at 98.102,50.571 h1 r90
  text "CN16" at 99.053,50.571 h1 r90
  text "CN17" at 100.003,50.571 h1 r90
  text "CN18" at 100.954,50.571 h1 r90
  text "CN19" at 101.905,50.571 h1 r90
  text "RST" at 63.017,50.368 h1
  text "TX" at 65.456,50.357 h1
  text "RX" at 67.488,50.357 h1
  text "GND" at 69.52,50.368 h1
  text "07_+3V3" at 85,48.452 h1.5
  text "T" at 59.639,48.057 h3
  text "08_A0" at 85,45.912 h1.5
  text "09_RST" at 85,43.366 h1.5
  text "10_CS" at 85,40.826 h1.5
  text "R" at 68.809,39.345 h3
  text "L" at 50.495,38.887 h3
  text "+12V / CTRL" at 0.965,38.329 h1
  text "11_SID" at 85,38.286 h1.5
  text "+7V" at 1.27,36.551 h1
  text "12_SCLK" at 85,35.746 h1.5
  text "+5V" at 1.295,34.239 h1
  text "+3V3" at 0.94,32.207 h1
  text "Production Inf:" at 104.21,31.167 h1.5
  text "D" at 59.436,29.845 h3
  text "7" at 9.703,12.285 h1
  text "GND" at 11.125,12.277 h1
  text "SCL" at 14.224,12.277 h1
  text "SDA" at 17.018,12.277 h1
  text "GND" at 20.168,12.277 h1
  text "1" at 23.063,12.28 h1
  text "8" at 9.652,10.761 h1
  text "GND" at 11.125,10.753 h1
  text "+3V3" at 14.224,10.753 h1
  text "+5V" at 17.018,10.753 h1
  text "+12V" at 20.168,10.742 h1
  text "2" at 23.038,10.746 h1
  text "Innovative AI Technology" at 26.737,9.953 h2
  text "INT" at 40.343,6.735 h1 r90
  text "SCL" at 36.43,6.571 h1 r90
  text "SDA" at 38.377,6.506 h1 r90
  text "GND" at 32.605,6.459 h1 r90
  text "+3V3" at 34.506,6.393 h1 r90
  text "Light Sensor" at 29.465,1.321 h1.5 r90
Board Outline:
  lines w0.1: 5,0 134,0 ; 5,0.004 cw(c5,5.004) 0,5.004 0,13.081 0,75 cw(c5,75) 5,80 57.592,80 58,79.592 58,57.193 58.193,57 75.821,57 76,57.179 76,79.556 76.444,80 134.014,80 cw(c134.014,75.02) 138.994,75.02 ; 134,0.004 ccw(c134,5.004) 139,5.004 139,75.02
  text "PCB Cutting Layer >> Board Outline" at 8.727,98.982 h4

## Dimensions
57.592,80 to 58.193,57 on Board Outline
58,79.592 to 76,79.556 on Board Outline
5,80 to 5,0 on Board Outline
0,75 to 139,75 on Board Outline

## Text inside footprints (layer, text, board x,y; h text height)
CN1: Mechanical 2 "PCB Edge Side" at 14.503,79.019 h0.76 r180
CN10: Mechanical 2 "PCB Edge Side" at 28.219,79.019 h0.76 r180
CN12: Mechanical 2 "PCB Edge Side" at 42.062,79.019 h0.76 r180
CN15: Mechanical 2 "PCB Edge Side" at 55.905,79.019 h0.76 r180